# Altium PCB ControllerV1.0.PcbDoc (part 2 of 2)
Units mil, origin at the board's own origin, x right, y up, seen from the top; angles counter-clockwise.
Board outline 2047.24 x 1968.5 mil, 4 copper layers (Top, Gnd, Signal, Bottom), stack 58.4 mil thick; 92 components, 84 nets, 377 pads, 170 vias.
Unrouted connection lines stored in the file: 72.
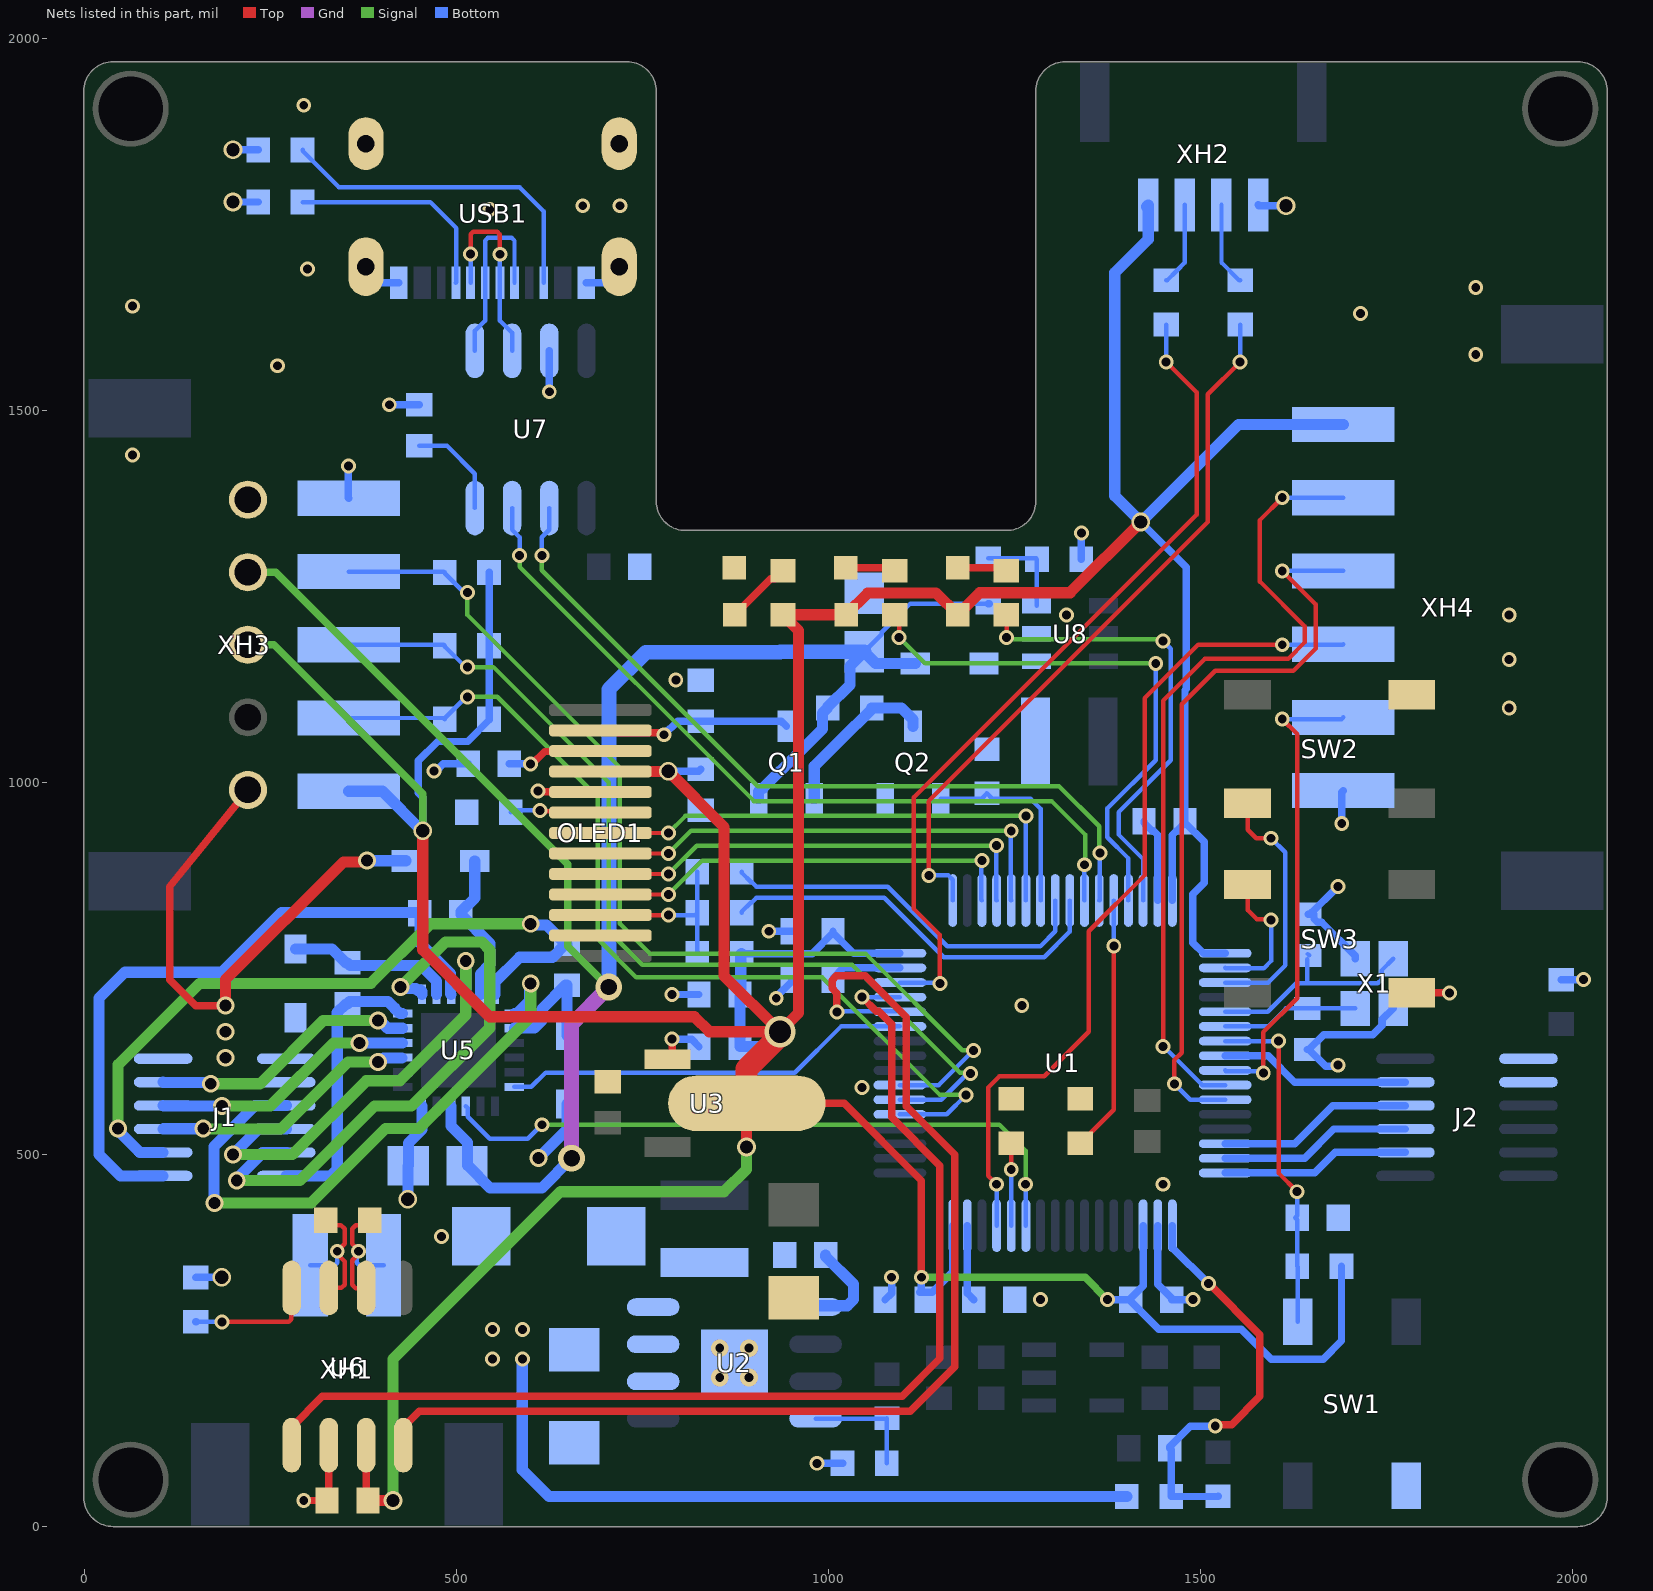
[diagram p4: the nets of this part, all layers, seen from the top]

## Via types
v1: diameter 20, hole 12, Top to Bottom, tented both sides, 123 vias
v2: diameter 24, hole 16, Top to Bottom, tented both sides, 19 vias
v3: diameter 25, hole 18, Top to Bottom, tented both sides, 13 vias
v4: diameter 24, hole 12, Top to Bottom, tented both sides, 4 vias
v5: diameter 27.56, hole 27.56, Top to Bottom, tented both sides, 4 vias
v6: diameter 36, hole 22, Top to Bottom, tented both sides, 2 vias
v7: diameter 30, hole 20, Top to Bottom, tented both sides, 1 vias
v8: diameter 30, hole 22, Top to Bottom, tented both sides, 1 vias
v9: diameter 42, hole 30, Top to Bottom, tented both sides, 1 vias
v10: diameter 36, hole 24, Top to Bottom, tented both sides, 1 vias
v11: diameter 42, hole 20, Top to Bottom, tented both sides, 1 vias

## Nets (pads, with @x,y where several pads share a name; then routed paths per layer and width w, separated by ;. In a path a pad name is that pad's centre, name@x,y a point inside that pad or via, vN(x,y) a via of type N, cw(c..) or ccw(c..) an arc to the next point about the centre after c; other vN are vias at no path point) (continued)
BOOT0: R6.1 U1.60 | length 345.3
  Top w6: R6.1@1338.74,515.34 1339.87,515.34 1352.75,528.22 1352.75,529.35 1383.62,560.22 v1(1383.62,780)
  Bottom w6: v1(1383.62,780) U1.60@1383.62,841.34
BOOT1: R2.1 U1.28 | length 111
  Top w6: v1(1245.83,480) R2.1@1245.83,515.34
  Bottom w6: U1.28@1245.83,404.33 v1(1245.83,480)
CAN1_RX: U1.44 U6.4 | length 1551.7
  Top w10: U6.4@428.82,109.39 428.82,133.7 450.12,155 1110,155 1170,215 1170,500 1105,565 1105,684.7 1049.7,740 1010.86,740 1005,734.14 1005,723.13 1011.22,716.91 1011.22,691.91 v1(1011.57,691.57)
  Bottom w6: v1(1011.57,691.57) 1012.42,692.42 1095.54,692.42 U1.44@1096.22,691.73
CAN1_TX: U1.45 U6.1 | length 1515.8
  Top w10: U6.1@278.82,109.39 278.82,133.7 320.12,175 1099.14,175 1150,225.86 1150,485 1085,550 1085,675 1067.63,692.37 1064.5,692.37 v1(1045.23,711.64)
  Bottom w6: v1(1045.23,711.64) 1045.34,711.53 1096.11,711.53 U1.45@1096.22,711.42
CAN_H: R11.2 U6.7 XH1.2 | length 219.4
  Top w6: R11.2@324.16,411.81 330.97,405 345,405 350,400 350,380 v1(340,370) 340,366.21 350,356.21 350,325 345.61,320.61 U6.7@328.82,320.61 U6.7@328.82,350.01
  Bottom w6: XH1.2@303.86,351.1 336.48,351.1 340,354.62 v1(340,370)
CAN_L: R11.1 U6.6 XH1.1 | length 212.9
  Top w6: v1@366.11,369.93 366.11,373.68 360,379.79 360,400 365,405 376.67,405 R11.1@383.48,411.81 ; v1(368.47,369.93) 368.47,366.14 360,357.67 360,325 365,320 378.21,320 U6.6@378.82,320.61 U6.6@378.82,350.01
  Bottom w6: v1@366.15,369.9 366.15,354.62 369.66,351.1 XH1.1@402.28,351.1
CH: U1.43 U5.24 | length 551.8
  Bottom w6: U5.24@578.05,590.89 600.89,590.89 620,610 955,610 1017.05,672.05 U1.43@1096.22,672.05
CL: U1.27 U5.3 | length 900.5
  Signal w6: v1(615,540) 1230,540 1265,505 v1(1265,460)
  Bottom w6: U5.3@512.79,565 515.3,562.49 515.3,550.85 545.15,521 596,521 v1(615,540) ; v1(1265,460) 1265.26,459.74 1265.26,404.59 U1.27@1265.51,404.33
D+: U7.1 USB1.6 USB1.8 | length 253
  Bottom w6: U7.1@525,1580 525,1606.79 538.9,1620.68 USB1.6@538.9,1671.49 538.9,1728.22 542.41,1731.73 574.75,1731.73 578.27,1728.22 USB1.8@578.27,1671.49
D-: U7.2 USB1.5 USB1.7 | length 272.2
  Top w6: v1(519.22,1710) 519.22,1736.49 522.73,1740 555,1740 558.59,1736.41 v1(558.59,1709.77)
  Bottom w6: USB1.5@519.22,1671.49 519.61,1671.89 519.61,1709.61 v1@521.46,1709.61 ; v1@558.36,1709.77 558.47,1709.66 558.47,1671.61 USB1.7@558.59,1671.49 558.59,1620.73 575,1604.31 U7.2@575,1580
DCBUS: C5.1 D2.2 D3.2 D4.2 J1.6 J1.7 J1.8 pad.9 R7.2 U2.7 | length 1790
  Top w10: v2(190,700) 150,700 115,735 115,860 pad.9@220,990
  Top w15: v2(190,700) 190,735 348.26,893.26 378.26,893.26 v2(379.99,894.99)
  Bottom w15: v2(379.99,894.99) 380.29,894.68 432.27,894.68 D3.2@432.58,894.37 ; v1(588.74,225) 588.74,76.26 624.66,40.34 R7.2@1401.28,40.34 ; v2(610.5,495.5) 648.74,533.74 D2.2@648.74,567.77
  other v1: 548.74,225 548.74,265 588.74,265
  other v2: 190,630 190,665
ENC_A: R17.1 U1.37 XH3.2 | length 1275.7
  Signal w6: v1(515,1115) 555,1115 690,980 690,790 741.61,738.39 991.61,738.39 1150,580 v1(1185,580)
  Bottom w6: XH3.2@355.47,1086.57 483.14,1086.57 R17.1@484.71,1085 484.71,1086.13 513.58,1115 v1(515,1115) ; U1.37@1096.22,553.94 1158.94,553.94 v1(1185,580)
ENC_B: R18.1 U1.38 XH3.3 | length 1301.2
  Signal w6: v1(515,1155) 550,1155 705,1000 705,800 750,755 1031.87,755 1176.94,609.93 1190.07,609.93 v1(1190.94,609.07)
  Bottom w6: XH3.3@355.47,1185 483.45,1185 R18.1@484.71,1183.74 484.71,1182.61 512.32,1155 v1(515,1155) ; U1.38@1096.22,573.62 1151.75,573.62 1187.2,609.07 v1(1190.94,609.07)
ENC_CS: U1.9 XH4.5 | length 638.3
  Top w6: v1(1584.52,609.52) 1584.52,664.52 1630,710 1630,1065 v1(1610,1085)
  Bottom w6: U1.9@1533.23,612.99 1534.34,611.88 1582.16,611.88 v1(1584.52,609.52) ; v1(1610,1085) 1689.65,1085 XH4.5@1692.01,1087.36
ENC_Z: R19.1 U1.39 XH3.4 | length 1365.4
  Signal w6: v1(515,1255) 515,1225 720,1020 720,810 760,770 1050,770 1180,640 v1(1195,640)
  Bottom w6: XH3.4@355.47,1283.43 483.45,1283.43 R19.1@484.71,1282.17 484.71,1281.03 508.06,1257.68 512.32,1257.68 v1(515,1255) ; U1.39@1096.22,593.31 1148.31,593.31 v1(1195,640)
GH_A: J1.9 U5.19 | length 821.2
  Signal w15: v2(175,435) 305,435 405,535 450,535 600,685 v2(600,730)
  Bottom w15: v2(175,435) 174.5,435.5 174.5,510.85 229.4,565.75 J1.9@271.42,565.75 ; U5.19@578.05,689.31 581.65,689.31 598.28,705.94 598.28,728.28 v2(600,730)
GH_B: J1.10 U5.16 | length 595.4
  Signal w15: v2(200,500) 280,500 379,599 424,599 512.79,687.79 v2(512.79,760)
  Bottom w15: v2(200,500) 234.25,534.25 J1.10@271.42,534.25 ; U5.16@512.79,715.2 v2(512.79,760) ; v2@513.47,758.47 v2@515,760
GH_C: J1.11 U5.13 | length 797.8
  Signal w15: v2(205,465) 290,465 390,565 440,565 545,670 545,775 534.5,785.5 485.5,785.5 v2(425,725)
  Bottom w15: v2(205,465) 206.72,466.72 206.72,469.32 240.16,502.76 J1.11@271.42,502.76 ; v2(425,725) 426.72,723.28 445.66,723.28 448.15,720.79 451.75,720.79 453.74,718.8 U5.13@453.74,715.2
GL_A: J1.5 U5.11 | length 362.2
  Signal w15: v2(170,595) 236.25,595 321.25,680 v2(395,680)
  Bottom w15: J1.5@106.06,597.24 106.67,596.63 168.37,596.63 v2(170,595) ; v2(395,680) 397.44,680 407.81,669.63 U5.11@427.85,669.63
GL_B: J1.4 U5.10 | length 357.3
  Signal w15: v2(185,565) 250,565 335,650 v2(370,650)
  Bottom w15: J1.4@106.06,565.75 106.44,565.37 184.63,565.37 v2(185,565) ; v2(370,650) 427.79,650 U5.10@427.85,649.94
GL_C: J1.3 U5.9 | length 361.2
  Signal w15: v2(160,535) 160.75,534.25 264.25,534.25 354.5,624.5 v2(395,624.5)
  Bottom w15: J1.3@106.06,534.25 106.44,534.63 159.63,534.63 v2(160,535) ; v2(395,624.5) 397.44,624.5 402.52,629.58 U5.9@427.17,629.58
GND: C2.1 C3.2 C4.2 C5.2 C6.2 C9.2 C12.2 C14.2 C15.2 C18.2 C20.2 C21.2 C22.2 C23.2 C25.2 C26.2 C27.2 C28.2 C29.1 C30.2 C31.2 C32.2 D1.2 J2.7 J2.8 LED1.1 OLED1.5 OLED1.12 pad.13 Q2.2 R2.2 R4.1 R5.1 R6.2 R9.1 R10.2 R15.1 R22.1 R23.1 R25.1 SW1.3 SW2.4 SW3.3 U1.18 U1.63 U2.6 U2.9 U3.1 U5.6 U6.2 U7.3 U8.2 USB1.1 USB1.12 USB1.13 USB1.14 X1.2 X1.4 XH2.4 XH3.5 XH4.6 | length 1753.7
  Top w10: v1(295,35) C26.2@326.26,35 328.82,37.56 U6.2@328.82,109.39 ; v1(609.9,988.23) 610.43,987.7 693.21,987.7 OLED1.5@693.74,987.17 ; U3.1@783.74,628.11 790,634.37 v1(790,655) ; SW3.3@1783.98,717.17 v1(1835,717.17)
  Bottom w10: R10.2@150,334.66 150.34,335 v3(185,335) ; v3(200,1780) R15.1@234.08,1780 ; v3(200,1850) R9.1@234.08,1850 ; v1(355,1425) 355,1382.32 XH3.5@355.47,1381.85 ; USB1.13@378.47,1693.15 378.47,1688.7 395.67,1671.49 USB1.1@422.76,1671.49 ; v1(410,1507.56) C25.2@450,1507.56 ; v1(470.15,1015.15) 472.86,1015.15 482.71,1025 C29.1@516.18,1025 ; v1(625,1525) U7.3@625,1580 ; USB1.12@674.73,1671.49 701.81,1671.49 719.02,1688.7 USB1.14@719.02,1693.15 ; v1(790,655) 816.18,655 C3.2@826.18,645 ; v1(790,715) C4.2@826.18,715 ; v1(920,800) C20.2@951.18,800 ; v1(930,710) 930,711.85 951.18,733.03 C14.2@951.18,735 ; v1(985,85) R4.1@1019.08,85 ; C23.2@1076.18,304.79 1085,313.61 v1(1085,335) ; R23.1@1339.66,1300 1340,1300.34 v1(1340,1335) ; C21.2@1424.21,947.87 1424.21,945.91 1434.96,935.16 1436.82,935.16 1442.68,929.3 U1.63@1442.68,841.34 ; U1.18@1442.68,404.33 1442.68,325.59 1461.3,306.97 C22.2@1461.3,305 v1(1490,305) ; XH2.4@1577.56,1776.1 1578.66,1775 v3(1615,1775) ; C12.2@1643.74,641.1 C12.2@1645.71,641.1 ; C9.2@1645,822.56 C9.2@1646.97,822.56 ; C9.2@1649.82,825.41 C9.2@1646.97,822.56 ; C9.2@1652.68,822.56 1652.68,816.85 1657.72,811.81 1663.42,811.81 1708.15,767.09 X1.4@1708.15,763.15 ; v1(1685,620) 1683.31,618.31 1668.5,618.31 C12.2@1645.71,641.1 ; v1(1685,860) 1684.41,860 C9.2@1646.97,822.56 ; v1(1690,945) 1690,986.93 XH4.6@1692.01,988.94 ; X1.2@1759.33,696.22 1744.65,681.54 1744.65,673.85 1731.79,661 1665.61,661 C12.2@1645.71,641.1 ; R5.1@1985,734.66 1985.34,735 v1(2015,735)
  Bottom w15: v3(435,440) 435,484.37 C18.2@435.63,485 435.63,515.63 453.74,533.74 U5.6@453.74,565
  other v1: 1285,305 480,390 1450,460 1045,590 1260,700 1915,1100 795,1137.56 1915,1165 1320,1225 1915,1225 65,1440 260,1560 1870,1575 1715,1630 65,1640 1870,1665 300,1690 545,1770 670,1775 720,1775 295,1910
  other v4: 854.06,200.31 893.43,200.31 854.06,239.68 893.43,239.68
KEY1: SW2.2 U1.3 | length 341.1
  Top w6: SW2.2@1563.5,972.17 1563.5,936.5 1575,925 v1(1595,925)
  Bottom w6: U1.3@1533.23,731.1 1591.1,731.1 1614,754 1614,906 v1(1595,925)
KEY2: SW3.1 U1.2 | length 204.5
  Top w6: SW3.1@1575.32,862.83 SW3.1@1563.5,862.83 1563.5,828.51 1576,816.02 1593.98,816.02 v1(1595,815)
  Bottom w6: U1.2@1533.23,750.79 1534.02,750 1585,750 1595,760 v1(1595,815)
LED_G: R20.2 U1.61 | length 749.6
  Top w6: R20.2@1089.06,1225.34 1095,1219.4 v1(1095,1195)
  Signal w6: v1(1095,1195) 1130,1160 v1(1440,1160)
  Bottom w6: U1.61@1403.31,841.34 1403.31,897.85 1375,926.16 1375,965 1440,1030 v1(1440,1160)
LED_R: R16.2 U1.62 | length 638.5
  Top w6: v1(1239.54,1195) R16.2@1239.54,1224.85
  Top w10: R16.2@1239.06,1225.34 R16.2@1239.54,1224.85
  Signal w6: v1(1239.54,1195) 1242.04,1192.5 1447.5,1192.5 v1(1450,1190)
  Bottom w6: U1.62@1422.99,841.34 1422.99,897.01 1390,930 1390,960 1460,1030 1460,1179.49 1450,1189.49 v1(1450,1190)
NetC1_1: C1.1 U2.1 | length 130.5
  Bottom w15: U2.1@982.89,295 984.54,296.65 1025.39,296.65 1033.74,305 1033.74,325.59 996.3,363.03 C1.1@996.3,365
NetC1_2: C1.2 D1.1 L1.1 U2.8
NetC9_1: C9.1 U1.5 X1.1 | length 298.7
  Bottom w6: U1.5@1533.23,691.73 1590.47,691.73 1628.74,730 1645,730 ; C9.1@1643.53,762.44 1643.53,731.47 1645,730 ; C9.1@1644.5,769.41 C9.1@1646.47,767.44 ; X1.1@1759.33,763.15 1743.46,747.28 1743.46,734.99 1738.47,730 1645,730
NetC12_1: C12.1 U1.6 X1.3 | length 184.9
  Bottom w6: U1.6@1533.23,672.05 1590.79,672.05 1614.96,696.22 C12.1@1643.74,696.22 X1.3@1708.15,696.22
NetC14_1: C14.1 U1.47 | length 97.6
  Bottom w6: C14.1@1006.3,735 C14.1@1006.3,736.97
  Bottom w10: C14.1@1006.3,736.97 1020.12,750.79 U1.47@1096.22,750.79
NetC15_1: C15.1 U1.31 | length 103
  Bottom w10: U1.31@1186.77,404.33 1186.77,313.8 C15.1@1195.57,305
NetC25_1: C25.1 U7.8 | length 136.8
  Bottom w6: C25.1@450,1452.44 487.44,1452.44 487.51,1452.51 525,1415.03 U7.8@525,1368.78
NetD5_2: D5.2 L2.2 U8.1
NetLED1_2: LED1.2 R1.1 | length 89.5
  Top w10: LED1.2@874.06,1225.5 922.34,1273.78 928.18,1273.78 R1.1@939.06,1284.66
NetLED2_1: LED2.1 R16.1 | length 66.8
  Top w10: LED2.1@1173.86,1288.5 1235.22,1288.5 R16.1@1239.06,1284.66
NetLED3_1: LED3.1 R20.1 | length 67
  Top w10: LED3.1@1023.66,1288.5 1085.22,1288.5 R20.1@1089.06,1284.66
NetOLED1_6: OLED1.6 R22.2 | length 122.4
  Top w6: v1(612.35,962.35) 613.72,960.98 692.37,960.98 OLED1.6@693.74,959.61
  Bottom w6: R22.2@573.4,960 575.75,962.35 v1(612.35,962.35)
NetQ1_1: Q1.1 Q2.3 R24.2 | length 224.8
  Bottom w15: Q1.1@981.14,978.26 981.14,1021.82 1015.48,1056.16 1015.69,1056.16 1058.4,1098.87 R24.2@1058.4,1100 1098.5,1100 1113.74,1084.76 Q2.3@1113.74,1075.51
NetR3_1: R3.1 R4.2 U2.4 | length 156.5
  Bottom w6: U2.4@982.89,145 1078.4,145 R3.1@1078.74,145.34 1078.74,85.34 R4.2@1078.4,85
NetR9_2: R9.2 USB1.10 | length 455
  Bottom w6: R9.2@293.4,1850 293.4,1848.87 342.27,1800 585,1800 617.65,1767.35 USB1.10@617.65,1671.49
NetR10_1: R10.1 U6.8 | length 172.2
  Top w6: v1(185,275) 274.82,275 278.34,278.51 278.34,320.13 U6.8@278.82,320.61
  Bottom w6: R10.1@150.34,275 v1(185,275)
  Bottom w10: R10.1@150,275.34 R10.1@150.34,275
NetR13_2: R13.2 XH2.2 | length 112.5
  Bottom w6: R13.2@1454.06,1674.66 1455.2,1674.66 1468.07,1687.54 1479.13,1698.6 XH2.2@1479.13,1776.1
NetR14_2: R14.2 XH2.3 | length 112.5
  Bottom w6: XH2.3@1528.35,1776.1 1528.35,1698.6 1552.28,1674.66 R14.2@1553.42,1674.66
NetR15_2: R15.2 USB1.4 | length 294.8
  Bottom w6: R15.2@293.4,1780 465,1780 500,1745 500,1671.96 USB1.4@499.54,1671.49
NetR21_1: R21.1 R23.2 U8.3 | length 128.6
  Bottom w6: R21.1@1215,1301.14 1279.2,1301.14 R23.2@1280.34,1300 1280.34,1237.82 U8.3@1279.92,1237.4
NRST: C27.1 R12.1 SW1.1 U1.7 | length 461.7
  Top w6: v1(1605,652.36) 1605,475 v1(1630,450)
  Bottom w6: U1.7@1533.23,652.36 v1(1605,652.36) ; v1(1630,450) 1630,417.56 1627.44,415 1630.34,412.1 R12.1@1630.34,350 1630.91,349.43 SW1.1@1630.91,275.24
OLED_BLK: Q2.1 R25.2 U1.55 | length 269
  Bottom w6: Q2.1@1151.14,978.26 1206.03,978.26 R25.2@1213.11,985.34 1220.19,978.26 1271.74,978.26 1285.2,964.8 U1.55@1285.2,841.34
OLED_CS: OLED1.7 U1.54 | length 694.6
  Top w6: OLED1.7@693.74,932.05 v1(785,932.05)
  Signal w6: v1(785,932.05) 807.95,955 v1@1265,955
  Bottom w6: v1@1265,955 1265.26,954.74 1265.26,841.59 U1.54@1265.51,841.34
  other v1: 1265.51,955
OLED_DC: OLED1.9 U1.52 | length 621.2
  Top w6: OLED1.9@693.74,876.93 v1(785,876.93)
  Signal w6: v1(785,876.93) 823.07,915 v1@1225,915
  Bottom w6: v1@1225,915 1225.57,914.43 1225.57,841.91 U1.52@1226.14,841.34
  other v1: 1226.14,915
OLED_RES: OLED1.8 U1.53 | length 657.9
  Top w6: OLED1.8@693.74,904.49 v1(785,904.49)
  Signal w6: v1(785,904.49) 815.51,935 v1@1245,935
  Bottom w6: v1@1245,935 1245.41,934.59 1245.41,841.75 U1.53@1245.83,841.34
  other v1: 1245.83,935
SDA: OLED1.11 R26.1 R27.2 R28.2 | length 241.7
  Top w6: OLED1.11@693.74,821.81 v1(785,821.81)
  Bottom w6: v1(785,821.81) 820.89,821.81 R28.2@824.08,825 ; R26.1@824.08,770 R28.2@824.08,825 ; R27.2@824.08,880 R28.2@824.08,825
SH_A: C13.1 J1.2 U5.18 | length 986.7
  Signal w15: v2(45.5,535) 45.5,620.5 155,730 385,730 465,810 v2(600,810)
  Bottom w15: v2(45.5,535) 47.22,533.28 47.22,530.34 74.8,502.76 J1.2@106.06,502.76 ; U5.18@552.16,715.2 552.16,732.16 585,765 629.21,765 C13.1@646.77,782.56 ; v2(600,810) 601.72,808.28 621.05,808.28 C13.1@646.77,782.56 ; C13.1@648.74,782.56 C13.1@646.77,782.56
SH_B: C16.1 J1.1 U5.15 | length 913.6
  Bottom w15: J1.1@106.06,471.26 48.74,471.26 20,500 20,710 55,745 185,745 265,825 450.55,825 C16.1@451.18,824.37 451.18,784.15 492.43,742.9 492.43,715.88 U5.15@493.11,715.2
SH_C: C19.1 J1.12 U5.12 | length 383.8
  Bottom w15: J1.12@271.42,471.26 331.21,471.26 340,480.05 340,690.67 351.77,702.44 C19.1@353.74,702.44 356.8,705.5 408.44,705.5 417.22,696.71 417.22,696.33 424.25,689.31 U5.12@427.85,689.31
SO_A: J2.2 U1.16 | length 253.7
  Bottom w10: U1.16@1533.23,475.2 1653.94,475.2 1681.5,502.76 J2.2@1775.55,502.76
SO_B: J2.3 U1.15 | length 258.6
  Bottom w10: U1.15@1533.23,494.88 1640.12,494.88 1679.49,534.25 J2.3@1775.55,534.25
SO_C: J2.4 U1.14 | length 263.5
  Bottom w10: U1.14@1533.23,514.57 1626.69,514.57 1677.88,565.75 J2.4@1775.55,565.75
SPI2_MISO: U1.10 XH4.2 | length 1105.6
  Top w6: v1(1450,645) 1450,1110 1506,1166 1617.87,1166 1640,1188.13 1640,1210 1580,1270 1580,1352.64 v1@1609.85,1382.49
  Bottom w6: v1(1450,645) 1450.61,645 1502.31,593.31 U1.10@1533.23,593.31 ; v1(1610,1382.64) XH4.2@1692.01,1382.64
SPI2_MOSI: U1.11 XH4.3 | length 1007.2
  Top w6: v1(1465,595) 1465,626.89 1475,636.89 1475,1105 1520,1150 1625,1150 1655,1180 1655,1239.21 v1(1610,1284.21)
  Bottom w6: v1(1465,595) 1486.38,573.62 U1.11@1533.23,573.62 ; v1(1610,1284.21) XH4.3@1692.01,1284.21
SPI2_SCK: U1.29 XH4.4 | length 1132.7
  Top w6: v1(1226.14,460) 1215,471.14 1215,590 1230,605 1290,605 1350,665 1350,800 1425,875 1425,1113.13 1496.87,1185 v1(1610,1185)
  Bottom w6: U1.29@1226.14,404.33 v1(1226.14,460) ; v1(1610,1185) 1691.22,1185 XH4.4@1692.01,1185.79
SPI3_MISO: R27.1 U1.56 | length 513.3
  Bottom w6: R27.1@883.4,880 883.4,878.87 896.28,865.99 897.41,865.99 903.4,860 1080,860 1160,780 1285,780 1304.88,799.88 U1.56@1304.88,841.34
SPI3_MOSI: R28.1 U1.57 | length 539.3
  Bottom w6: R28.1@883.4,825 883.4,826.13 896.28,839.01 897.41,839.01 903.4,845 1075,845 1155,765 1290,765 1324.57,799.57 U1.57@1324.57,841.34
SPI3_SCK: OLED1.10 U1.51 | length 584.4
  Top w6: OLED1.10@693.74,849.37 v1(785,849.37)
  Signal w6: v1(785,849.37) 830.63,895 v1@1205,895
  Bottom w6: v1@1205,895 1205.73,894.27 1205.73,842.07 U1.51@1206.46,841.34
  other v1: 1206.46,895
SWC: R14.1 U1.49 | length 976.1
  Top w6: v1(1135,875) 1135,975 1510,1350 1510,1521.58 v1(1553.42,1565)
  Bottom w6: v1(1135,875) 1161.38,875 1167.09,869.29 U1.49@1167.09,841.34 ; v1(1553.42,1565) R14.1@1553.42,1615.34
SWD: R13.1 U1.46 | length 1128.4
  Top w6: v1(1150,730) 1150,795 1115,830 1115,980 1495,1360 1495,1524.06 v1(1454.06,1565)
  Bottom w6: U1.46@1096.22,731.1 1096.77,730.55 1149.45,730.55 v1(1150,730) ; v1(1454.06,1565) R13.1@1454.06,1615.34
TEMP_S: J2.5 U1.8 | length 257
  Bottom w10: U1.8@1533.23,632.68 1591.06,632.68 1626.5,597.24 J2.5@1775.55,597.24
USART1_RX: U1.59 U7.6 | length 1079.9
  Signal w6: v1(615,1305) 615,1285 905,995 1310,995 1363.94,941.06 1363.94,906.06 v1(1365,905)
  Bottom w6: v1(615,1305) 615,1329.38 625,1339.38 U7.6@625,1368.78 ; U1.59@1363.94,841.34 1364.47,841.87 1364.47,904.47 v1(1365,905)
USART1_TX: U1.58 U7.7 | length 1081
  Signal w6: v1(585,1305) 585,1290 900,975 1300,975 1344.97,930.03 1344.97,890.2 v1(1344.19,889.42)
  Bottom w6: U7.7@575,1368.78 575,1339.38 585,1329.38 v1(585,1305) ; U1.58@1344.22,841.37 v1@1344.22,889.38
VB_A: C13.2 D2.1 U5.20 | length 171.2
  Bottom w15: U5.20@578.05,669.63 578.72,670.3 605.3,670.3 615,680 615,695.67 646.77,727.44 C13.2@648.74,727.44 D2.1@648.74,660.1
VB_B: C16.2 D3.1 U5.17 | length 208.1
  Bottom w15: D3.1@524.91,894.37 524.91,844.94 506.3,826.34 C16.2@506.3,824.37 506.3,822.4 545,783.7 545,755 532.48,742.48 U5.17@532.48,715.2
VB_C: C19.2 D4.1 U5.14 | length 223.5
  Bottom w15: D4.1@283.74,776.16 333.17,776.16 C19.2@351.77,757.56 ; C19.2@353.74,757.56 357.52,753.78 452.85,753.78 473.42,733.21 U5.14@473.42,715.2
VBUS_S: C17.1 R7.1 R8.2 U1.17 | length 558.7
  Top w10: v1(1511,326.82) 1580,257.82 1580,175 1541.91,136.91 1521.91,136.91 v1(1520,135)
  Bottom w10: U1.17@1462.36,404.33 1462.36,374.8 1510.35,326.82 v1(1511,326.82) ; v1(1520,135) 1486.49,135 1458.8,107.31 C17.1@1458.8,105.34 1460.6,103.55 R7.1@1460.6,40.34 1523.4,40.34 R8.2@1523.74,40.68
VCC: C3.1 C4.1 C20.1 C21.1 C22.1 C23.1 C26.1 C32.1 LED2.2 LED3.2 OLED1.4 pad.11 R1.2 R12.2 R17.2 R18.2 R19.2 R26.2 U1.1 U1.19 U1.32 U1.48 U1.64 U3.2 U6.3 XH2.1 XH3.1 XH4.1 | length 7706.4
  Top w10: U6.3@378.82,109.39 378.82,37.56 C26.1@381.38,35 ; U3.2@890,568.19 U3.2@890.53,568.72 U3.2@973.57,568.72 ; U3.2@976.28,568.72 U3.2@973.57,568.72 ; v1(1125,335) 1125,465 1021.28,568.72 U3.2@973.57,568.72
  Top w15: C26.1@381.38,35 v3(415,35) ; v3(455,935) 455,775 545,685 820,685 840,665 v9(935,665) ; OLED1.4@693.74,1014.72 v3@784.72,1014.72 ; v3(785,1015) 860,940 860,740 v9(935,665) ; v3(890,510) U3.2@890,568.19 ; v3(1420,1350) 1325,1255 1203.56,1255 LED2.2@1174.06,1225.5 1144.84,1254.72 1053.07,1254.72 LED3.2@1023.86,1225.5 1023.78,1225.42 939.14,1225.42 R1.2@939.06,1225.34 940.19,1225.34 948.56,1216.96 948.56,1215.83 960,1204.4 960,690 v9(935,665)
  Top w20: U3.2@890,569.25 U3.2@890.53,568.72
  Top w30: U3.2@890,569.25 890,615 v9@933.17,658.17
  Signal w10: pad.11@220,1185 255,1185 455,985 v3(455,935) ; v1(1125,335) 1345,335 v1(1375,305)
  Signal w15: v3(415,35) 415,225 640,450 860,450 890,480 v3(890,510)
  Bottom w10: v3(455,935) 455,979.96 449.15,985.81 449.15,1029.15 475,1055 515.16,1055 544.03,1083.87 R17.2@544.03,1085 R18.2@544.03,1183.74 R19.2@544.03,1282.17 ; v3(785,1015) 826.18,1015 C32.1@828.74,1017.56 ; R26.2@883.4,770 978.27,770 C20.1@1006.3,798.03 ; C20.1@1006.3,800 C20.1@1006.3,798.03 ; U1.48@1096.22,770.47 1033.86,770.47 C20.1@1006.3,798.03 ; v1(1125,335) 1125,316.94 1123.06,315 1139.54,315 1167.09,342.54 U1.32@1167.09,404.33 ; v1(1375,305) C22.1@1406.18,305 1406.18,303.03 1444.21,265 1555,265 1595,225 1665,225 1689.66,249.66 R12.2@1689.66,350 ; C22.1@1406.18,306.97 1422.99,323.78 U1.19@1422.99,404.33 ; v3(1420,1350) 1481,1289 1481,1125.63 1479.33,1123.96 C21.1@1479.33,945.91 ; U1.64@1462.36,841.34 1462.36,929.3 1468.22,935.16 1468.58,935.16 C21.1@1479.33,945.91 ; U1.1@1533.23,770.47 1504.19,770.47 1490,784.66 1490,850 1505,865 1505,920.24 C21.1@1479.33,945.91
  Bottom w15: XH3.1@355.47,988.15 400.75,988.15 453.9,935 v3(455,935) ; R26.2@883.4,770 882.35,768.95 882.35,716.05 C4.1@881.3,715 C3.1@881.3,645 913.74,645 933.74,665 v9(935,665) ; XH2.1@1427.49,1773.68 XH2.1@1429.92,1776.1 1430,1776.02 1430,1730 1385,1685 1385,1385 v3(1420,1350) 1551.06,1481.06 XH4.1@1692.01,1481.06
VCC_9V: C18.1 C30.1 D5.1 pad.12 Q1.2 R21.2 R24.1 U5.4 | length 2581.7
  Gnd w20: v6(655,495) 655,675 v6(705,725)
  Signal w10: pad.12@220,1282.5 257.5,1282.5 650,890 650,780 v6(705,725)
  Bottom w6: C30.1@1048.11,1175.63 1071.69,1199.2 1071.69,1201.69 1110.34,1240.34 R21.2@1215,1240.34
  Bottom w10: R21.2@1215,1240.34 R21.2@1216.13,1240.34
  Bottom w15: U5.4@493.11,565 493.11,538.11 515,516.22 515,485 515.55,485 545.55,455 615,455 v6(655,495) ; Q1.2@906.34,978.26 906.34,987.51 910.65,991.82 911.82,991.82 960.94,1040.94 961.14,1040.94 992.29,1072.09 992.29,1093.21 R24.1@999.08,1100 999.08,1101.13 1029.04,1131.09 1029.04,1156.55 C30.1@1048.11,1175.63 1063.74,1160 D5.1@1116.95,1160
  Bottom w20: v6(705,725) 705,1125 755,1175 935,1175 935.63,1175.63 C30.1@1048.11,1175.63
VCOMH: C29.2 OLED1.3 | length 128.8
  Top w10: v1(600,1025) 602.16,1025 618.75,1041.59 693.05,1041.59 OLED1.3@693.15,1041.69
  Bottom w10: C29.2@571.3,1025 v1(600,1025)
VPP: C31.1 OLED1.2 Q1.3 | length 262.9
  Top w10: OLED1.2@693.74,1069.84 696.61,1066.97 773.46,1066.97 776.36,1064.07 v1(779.07,1064.07)
  Bottom w10: v1(779.07,1064.07) 797.44,1082.44 936.93,1082.44 943.74,1075.63 Q1.3@943.74,1075.51
pads on no net: OLED1.1 OLED1.13 SW1.2 SW1.4 SW2.1 SW2.3 SW3.2 SW3.4 U1.4 U1.20 U1.21 U1.22 U1.23 U1.24 U1.25 U1.30 U1.33 U1.35 U1.36 U1.40 U1.50 U2.2 U2.3 U2.5 U4.4 U5.5 U5.7 U5.8 U5.21 U5.25 U6.5 U7.4 U8.6 USB1.3 USB1.9 XH1.0 XH2.5 XH2.6 XH3.0 XH4.0
copper on no net:
  other v5: 139.53,435.83 1809.02,435.83 139.53,664.17 1809.02,664.17

## Polygon pours and split planes (outlines as drawn)
GND on Bottom "GND_L04_P023" (solid, remove dead copper, pour order 23): -65,2027.52 -65,-30.01 2095,-30.01 2095,2022.48
5V on Bottom "5V_L04_P000" (solid, remove dead copper, pour order 0): 1340,1260 1340,1180 1395,1180 1395,1125 1340,1125 1340,995 1390,995 1390,1030 1420,1030 1420,1260
NetD5_2 on Bottom "NETD5_2_L04_P006" (solid, remove dead copper, pour order 6): 1185,1180 1185,1140 1255,1140 1255,995 1300,995 1300,1180
AGND on Bottom "AGND_L04_P021" (solid, remove dead copper, pour order 21): 1865,580 1865,430 2065,430 2065,580
5V on Bottom "5V_L04_P008" (solid, remove dead copper, pour order 8): 765,480 765,425 895,425 895,395 1035,395 1035,480
DCBUS on Bottom "Bottom-DCBUS" (solid, remove dead copper, pour order 14): 200,580 315,580 315,710 45,710 45,615 200,615
NetC1_2 on Bottom "NETC1_2_L04_P012" (solid, remove dead copper, pour order 12): 733.74,275 658.74,350 658.74,440 755,440 755,390 968.74,390 968.74,340 918.74,340 918.74,275
DCBUS on Bottom "DCBUS_L04_P009" (solid, remove dead copper, pour order 9): 523.74,295 523.74,195 703.74,195 728.74,220 813.74,220 813.74,270 728.74,270 703.74,295
GND on Top "GND_L01_P015" (solid, remove dead copper, pour order 15): -65,2034.91 -65,-55 -55,-65 2145,-65 2145,2044.89
DCBUS on Top "DCBUS_L01_P002" (solid, remove dead copper, pour order 2): 45,710 45,615 208.74,615 378.74,445 523.74,445 523.74,195 613.74,195 613.74,520 438.74,520 248.74,710
5V on Top "5V_L01_P010" (solid, remove dead copper, pour order 10): 915,480 915,395 1035,395 1035,480
GND on Gnd "GND_L02_P013" (solid, remove dead copper, pour order 13): -95,2045 -95,-95 2150,-95 2150,2040
AGND on Gnd "AGND_L02_P011" (solid, remove dead copper, pour order 11): 1110,-25 1110,200 1255,345 1350,345 1420,415 1420,600 1520,700 2085,700 2085,-25

## Other copper
Bottom:
  pour cut-out: 1684.26,796.77 1684.26,667.43 1788.19,667.43 1788.19,796.77

## Silkscreen, mask and mechanical layers (free items; w line width, h text height)
Top Overlay:
  drawing of 19 lines, arcs and shapes, not listed
  text "3V3" at 1300.83,1905.92 h45
  text "SWD" at 1399.78,1905.54 h45
  text "SWC" at 1529.82,1905.54 h45
  text "G" at 1656.54,1905.54 h45
  text "USART" at 430.08,1760.96 h80
  text "SWD" at 1424.56,1760.96 h80
  text "3V3" at 1939.41,1462.11 h60
  text "G" at 265.13,1365.54 h45
  text "MI" at 1978.26,1364.79 h60
  text "G" at 18,1362.65 h60
  text "9V" at 265.13,1265.54 h45
  text "MO" at 1950.12,1266.03 h60
  text "Z" at 18,1264.52 h60
  text "XJRC" at 1359.33,1247.17 h180
  text "3V3" at 265.13,1170.54 h45
  text "SCK" at 1919.32,1167.26 h60
  text "B" at 18,1166.39 h60
  text "5V" at 265.13,1070.54 h45
  text "A" at 18,1068.27 h60
  text "CS" at 1961.27,1068.5 h60
  text "VBUS" at 265.13,975.54 h45
  text "G" at 1994.68,969.73 h60
  text "3V3" at 18,969.2 h60
  text "ABZ" at 37.15,860 h80
  text "SPI" at 1900.91,855.96 h80
  text "BT1" at 1212.59,614.53 h45
  text "BT0" at 1303.21,615.07 h45
  text "CAN RES" at 266.45,485.54 h45
  text "BLAZER FOC" at 1110.97,341.8 h150
  text "V1.0" at 1813.15,230.96 h80
  text "Control" at 1335.3,216.33 h120
  text "CAN" at 47.07,185.89 h80
  text "RST" at 1466.81,35.96 h80
  text "CH" at 184.59,20.67 h60
  text "CL" at 446.31,20.67 h60
Bottom Overlay:
  text "8M" at 1774.24,815.72 h60
  text "0Ω" at 2010.48,775.07 h45
  text "GND" at 1917.72,770.54 h45
  text "AGND" at 1933.2,700.54 h45
Mechanical 1:
  lines w10: 768.74,1377.95 ccw(c808.11,1377.95) 808.11,1338.58 ; 768.74,1378.23 768.74,1929.13 ccw(c729.37,1929.13) 729.37,1968.5 38.74,1968.5 ccw(c38.74,1929.13) -0.63,1929.13 -0.63,39.37 ccw(c38.74,39.37) 38.74,0 2007.24,0 ccw(c2007.24,39.37) 2046.61,39.37 2046.61,1929.13 ccw(c2007.24,1929.13) 2007.24,1968.5 1318.27,1968.5 ccw(c1318.27,1929.13) 1278.9,1929.13 ; 808.23,1338.58 1239.53,1338.58 ccw(c1239.53,1377.95) 1278.9,1377.95 ; 1278.9,1377.05 1278.9,1930.63